# Altium PCB LimeSDR-QPCIe_1v2.PcbDoc (part 2 of 21) (continued)
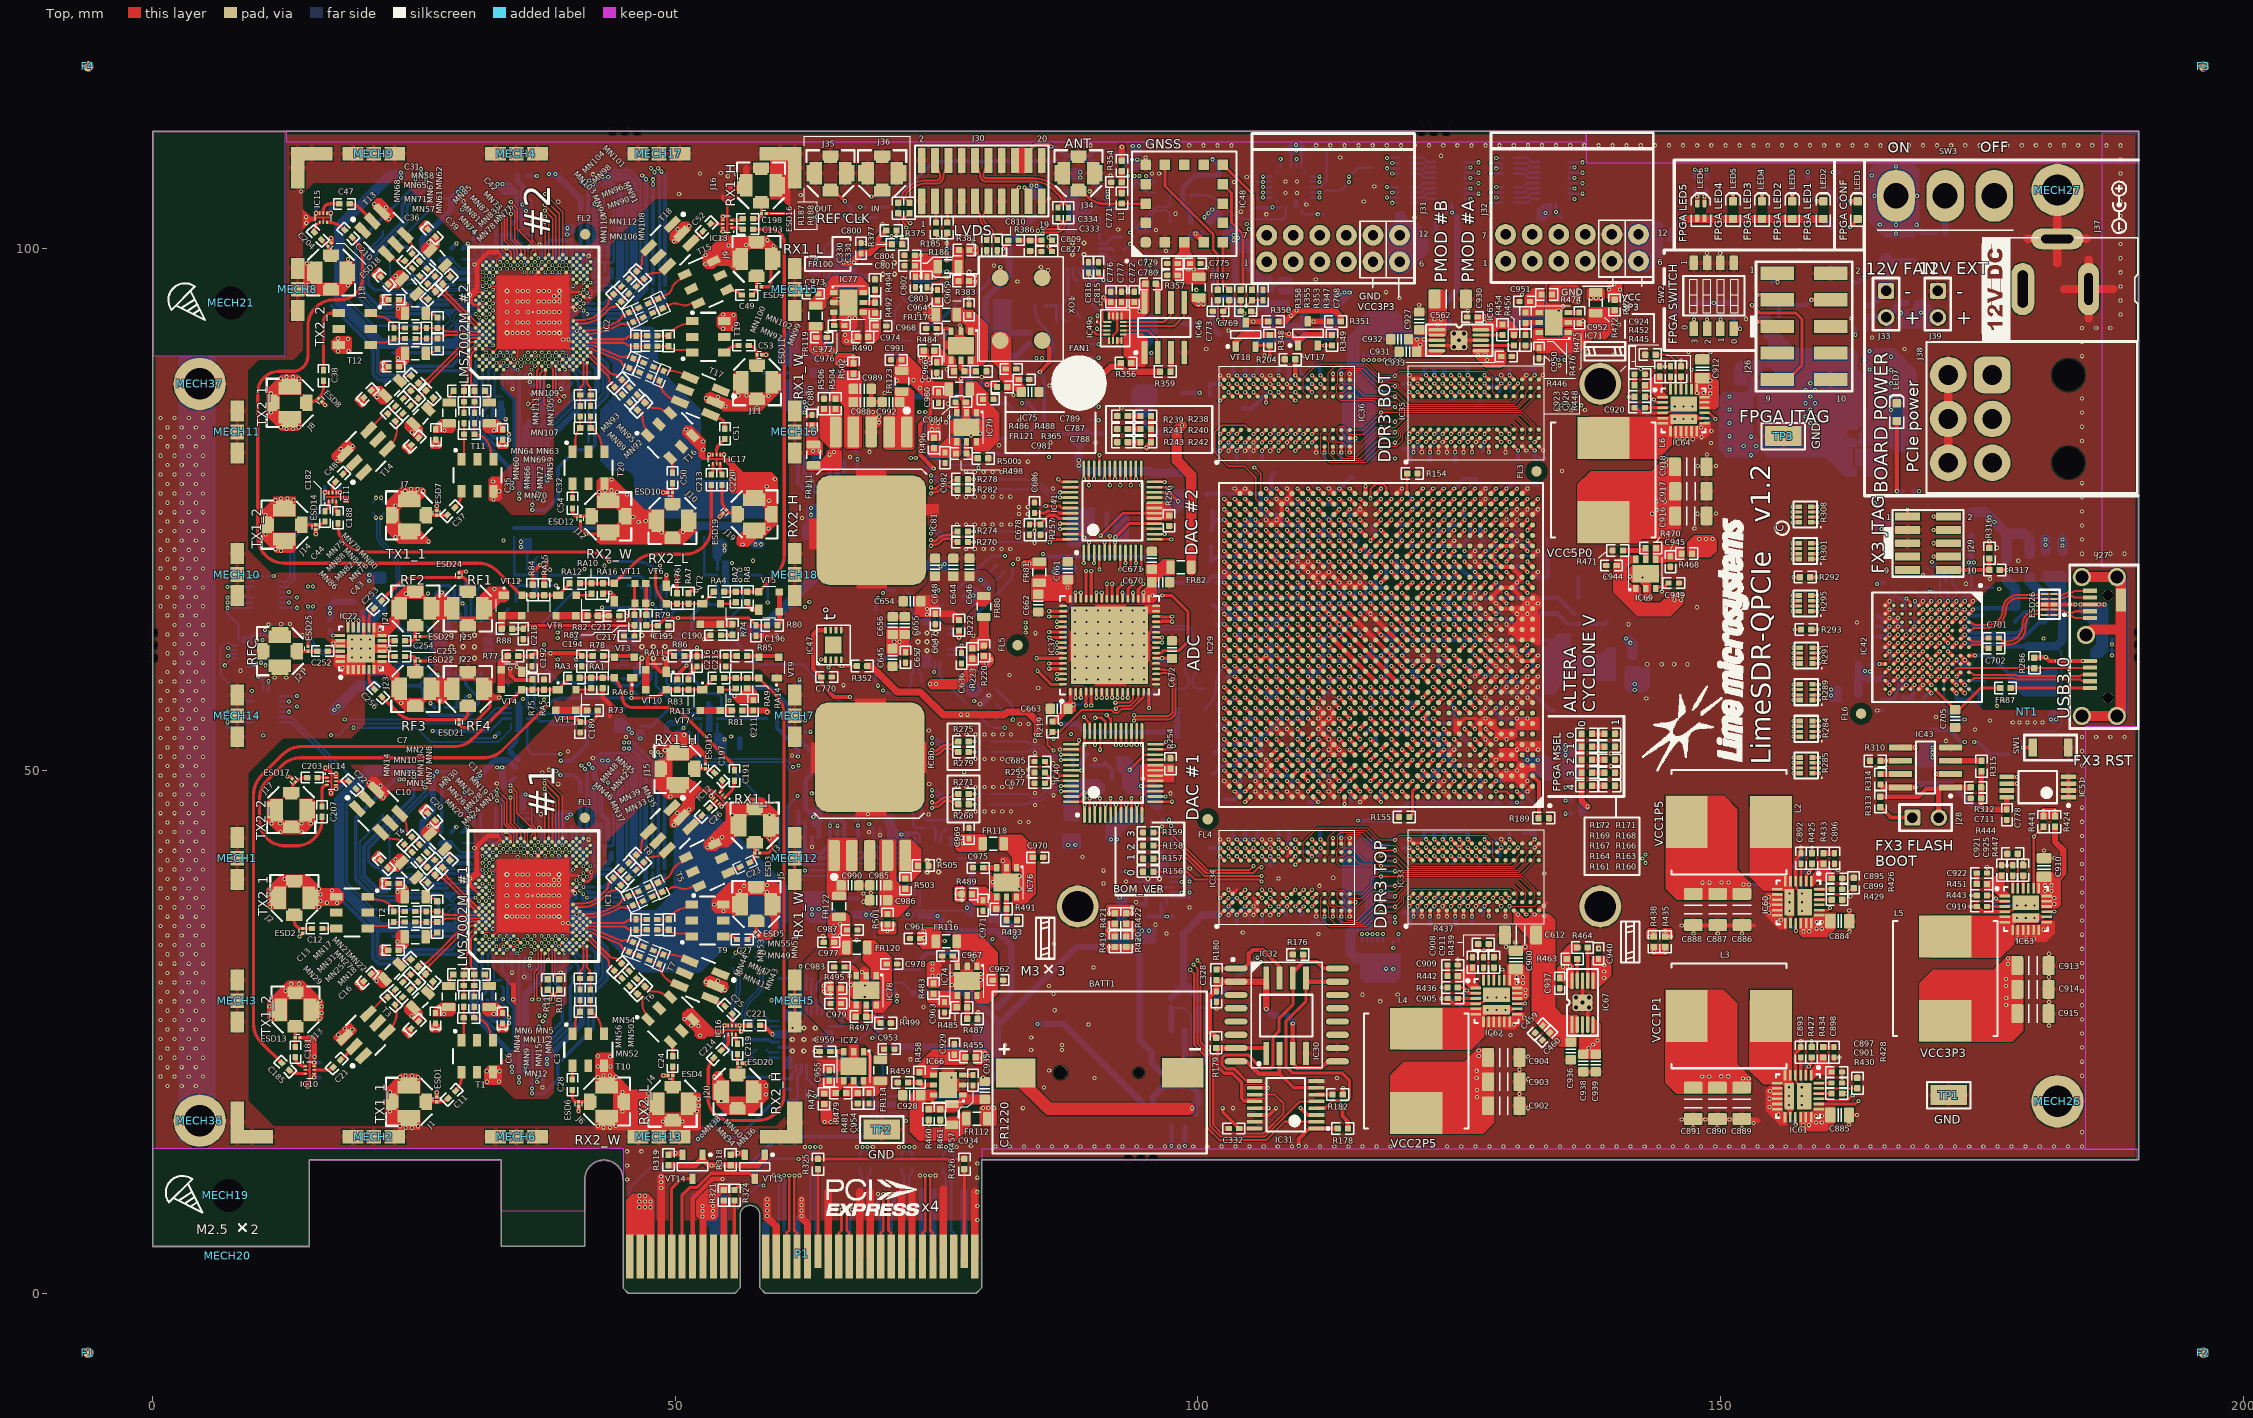
[diagram p0: Top view]
## Components (designator, comment, footprint, x,y, rotation, side; value= is the part's Value field where it differs from the comment) (continued)
C286 "100nF, 16V" CAP0402#1 27.125,66.1 r270 bottom
C287 "100pF, 50V" CAP0402#1 29.95,57.65 r90 bottom
C288 "10uF, 6.3V" CAP0603#1 33.725,69.95 r0 bottom
C289 "100nF, 16V" CAP0402#1 34.075,68.725 r180 bottom
C290 "10uF, 6.3V" CAP0603#1 39.979,69.568 r270 bottom
C291 "100nF, 16V" CAP0402#1 38.768,69.218 r90 bottom
C292 "10uF, 6.3V" CAP0603#1 36.682,71.646 r180 bottom
C293 "100nF, 16V" CAP0402#1 36.332,70.432 r0 bottom
C294 "100pF, 50V" CAP0402#1 54.225,57.7 r270 bottom
C295 "10uF, 6.3V" CAP0603#1 56.415,54.135 r90 bottom
C296 "100nF, 16V" CAP0402#1 55.165,54.485 r270 bottom
C297 "10pF, 25V" CAP0402#1 50.383,57.175 r315 bottom
C298 "10uF, 6.3V" CAP0603#1 50.025,52.925 r90 bottom
C299 "100nF, 16V" CAP0402#1 51.325,54.125 r270 bottom
C300 "10uF, 6.3V" CAP0603#1 55.325,52.15 r180 bottom
C301 "100nF, 16V" CAP0402#1 53.522,53.271 r180 bottom
C302 "10uF, 16V" CAP0603#1 48.225,53.9 r90 bottom
C303 "100nF, 16V" CAP0402#1 42.05,58.9 r270 bottom
C304 "100pF, 50V" CAP0402#1 44.5,58.625 r180 bottom
C305 "100pF, 50V" CAP0402#1 54.2,65.375 r90 bottom
C306 "100nF, 16V" CAP0402#1 49.804,56.121 r135 bottom
C307 "100pF, 50V" CAP0402#1 48.15,57.65 r90 bottom
C308 "100nF, 16V" CAP0402#1 48.15,66.1 r90 bottom
C309 "10pF, 25V" CAP0402#1 49.15,66.1 r90 bottom
C310 "100nF, 16V" CAP0402#1 45.325,66.1 r270 bottom
C311 "100pF, 50V" CAP0402#1 46.325,66.1 r270 bottom
C312 "10uF, 6.3V" CAP0603#1 51.925,69.95 r0 bottom
C313 "100nF, 16V" CAP0402#1 52.275,68.725 r180 bottom
C314 "10uF, 6.3V" CAP0603#1 58.179,69.568 r270 bottom
C315 "100nF, 16V" CAP0402#1 56.968,69.218 r90 bottom
C316 "10uF, 6.3V" CAP0603#1 54.882,71.646 r180 bottom
C317 "100nF, 16V" CAP0402#1 54.532,70.432 r0 bottom
C318 "100nF, 16V" CAP0402#1 156.65,94.025 r270 bottom
C319 "100nF, 16V" CAP0402#1 62.65,12.45 r270 bottom
C320 "100nF, 16V" CAP0402#1 63.65,12.45 r270 bottom
C321 "100nF, 16V" CAP0402#1 67.65,12.45 r270 bottom
C322 "100nF, 16V" CAP0402#1 68.65,12.45 r270 bottom
C323 "100nF, 16V" CAP0402#1 71.65,12.45 r270 bottom
C324 "100nF, 16V" CAP0402#1 72.65,12.45 r270 bottom
C325 "100nF, 16V" CAP0402#1 135.281,90.701 r90 bottom
C326 "100nF, 16V" CAP0402#1 134.281,90.701 r90 bottom
C327 "100nF, 16V" CAP0402#1 75.65,12.45 r270 bottom
C328 "100nF, 16V" CAP0402#2 101.775,28.375 r270 top
C329 "100nF, 16V" CAP0402#1 76.65,12.45 r270 bottom
C330 "100nF, 16V" CAP0402#2 79.8,100.275 r90 top
C331 "100nF, 16V" CAP0402#2 80.8,100.275 r90 top
C332 "100nF, 16V" CAP0402#2 103.45,15.75 r180 top
C333 "100nF, 16V" CAP0402#2 86.625,103.375 r90 top
C334 "100nF, 16V" CAP0402#2 87.625,103.375 r90 top
C335 "220uF, 4V" CAP1206#1 136.35,62.15 r180 bottom
C336 "220uF, 4V" CAP1206#1 135.15,58.3 r180 bottom
C337 "220uF, 4V" CAP1206#1 99.95,65.875 r0 bottom
C338 "10uF, 6.3V" CAP0603#1 117.925,63.5 r315 bottom
C339 "4.7uF, 10V" CAP0603#1 116.05,61.475 r315 bottom
C340 "1uF, 10V" CAP0402#1 118,60.95 r270 bottom
C341 "100nF, 16V" CAP0402#1 122.55,60.5 r0 bottom
C342 "220uF, 4V" CAP1206#1 140.65,64.275 r180 bottom
C343 "220uF, 4V" CAP1206#1 135.55,55.75 r180 bottom
C344 "10uF, 6.3V" CAP0603#1 131.5,69.65 r180 bottom
C345 "4.7uF, 10V" CAP0603#1 143.65,59.225 r180 bottom
C346 "1uF, 10V" CAP0402#1 131,61 r90 bottom
C347 "100nF, 16V" CAP0402#1 132.075,61 r270 bottom
C348 "220uF, 4V" CAP1206#1 132.425,53.775 r180 bottom
C349 "220uF, 4V" CAP1206#1 129.125,53.45 r90 bottom
C350 "10uF, 6.3V" CAP0603#1 131.525,73 r180 bottom
C351 "4.7uF, 10V" CAP0603#1 129.525,67.3 r180 bottom
C352 "1uF, 10V" CAP0402#1 130.5,71.5 r180 bottom
C353 "100nF, 16V" CAP0402#1 126.5,59.475 r180 bottom
C354 "220uF, 4V" CAP1206#1 133.95,77.325 r180 bottom
C355 "220uF, 4V" CAP1206#1 108.8,78.45 r180 bottom
C356 "10uF, 6.3V" CAP0603#1 115.675,78.025 r180 bottom
C357 "4.7uF, 10V" CAP0603#1 127.45,77.9 r180 bottom
C358 "1uF, 10V" CAP0402#1 115,74.025 r270 bottom
C359 "100nF, 16V" CAP0402#1 114,73.025 r270 bottom
C360 "220uF, 4V" CAP1206#1 134.925,66.55 r180 bottom
C361 "220uF, 4V" CAP1206#1 132.05,63.775 r180 bottom
C362 "10uF, 6.3V" CAP0603#1 136.875,64.975 r180 bottom
C363 "4.7uF, 10V" CAP0603#1 126.525,72 r180 bottom
C364 "1uF, 10V" CAP0402#1 124,65 r270 bottom
C365 "100nF, 16V" CAP0402#1 122.525,63.5 r180 bottom
C366 "220uF, 4V" CAP1206#1 135,70.65 r180 bottom
C367 "100uF, 6.3V" CAP1206#1 134.975,68.5 r180 bottom
C368 "10uF, 6.3V" CAP0603#1 134.3,72.25 r180 bottom
C369 "4.7uF, 10V" CAP0603#1 116.05,72.675 r225 bottom
C370 "1uF, 10V" CAP0402#1 125.025,70.05 r90 bottom
C371 "100nF, 16V" CAP0402#1 123.525,73.45 r0 bottom
C372 "220uF, 4V" CAP1206#1 100.025,49.675 r0 bottom
C373 "100uF, 6.3V" CAP1206#1 100.875,77.825 r270 bottom
C374 "10uF, 6.3V" CAP0603#1 125.525,55 r180 bottom
C375 "4.7uF, 10V" CAP0603#1 132.525,49 r90 bottom
C376 "1uF, 10V" CAP0402#1 110.05,69 r90 bottom
C377 "100nF, 16V" CAP0402#1 109.025,71.025 r270 bottom
C378 "220uF, 4V" CAP1206#1 99.8,73.2 r0 bottom
C379 "100uF, 6.3V" CAP1206#1 99.75,69.95 r0 bottom
C380 "10uF, 6.3V" CAP0603#1 100.575,74.825 r0 bottom
C381 "4.7uF, 10V" CAP0603#1 100.45,71.425 r0 bottom
C382 "1uF, 10V" CAP0402#1 107.075,70 r270 bottom
C383 "100nF, 16V" CAP0402#1 107.025,73.025 r90 bottom
C384 "220uF, 4V" CAP1206#1 101.075,47.25 r0 bottom
C385 "100uF, 6.3V" CAP1206#1 100.1,51.75 r0 bottom
C386 "10uF, 6.3V" CAP0603#1 101.925,58.8 r0 bottom
C387 "4.7uF, 10V" CAP0603#1 100.975,54.325 r0 bottom
C388 "1uF, 10V" CAP0402#1 105.5,50.5 r180 bottom
C389 "100nF, 16V" CAP0402#1 103.525,54.45 r0 bottom
C390 "100nF, 16V" CAP0402#1 117.025,48 r270 bottom
C391 "100nF, 16V" CAP0402#1 123.5,49.525 r180 bottom
C392 "100nF, 16V" CAP0402#1 120.525,70.5 r180 bottom
C393 "100nF, 16V" CAP0402#1 122.55,52.5 r0 bottom
C394 "100nF, 16V" CAP0402#1 109,68 r270 bottom
C395 "100nF, 16V" CAP0402#1 132.05,58.025 r90 bottom
C396 "100nF, 16V" CAP0402#1 131.025,58.025 r90 bottom
C397 "100nF, 16V" CAP0402#1 130.025,61 r270 bottom
C398 "100nF, 16V" CAP0402#1 130.05,58.025 r90 bottom
C399 "100nF, 16V" CAP0402#1 121.55,71.475 r180 bottom
C400 "100nF, 16V" CAP0402#1 126.525,73.5 r0 bottom
C401 "100nF, 16V" CAP0402#1 122.975,65 r90 bottom
C402 "100nF, 16V" CAP0402#1 124.025,66.975 r270 bottom
C403 "100nF, 16V" CAP0402#1 128.5,59.525 r0 bottom
C404 "100nF, 16V" CAP0402#1 128.55,63.525 r0 bottom
C405 "100nF, 16V" CAP0402#1 129.525,56.5 r0 bottom
C406 "100nF, 16V" CAP0402#1 127,58.025 r270 bottom
C407 "100nF, 16V" CAP0402#1 131.525,55.55 r0 bottom
C408 "100nF, 16V" CAP0402#1 128.5,60.5 r0 bottom
C409 "100nF, 16V" CAP0402#1 126.55,63.525 r0 bottom
C410 "100nF, 16V" CAP0402#1 129,72 r90 bottom
C411 "100nF, 16V" CAP0402#1 119.525,76.475 r180 bottom
C412 "100nF, 16V" CAP0402#1 117.525,74.5 r0 bottom
C413 "100nF, 16V" CAP0402#1 119.55,61.525 r180 bottom
C414 "100nF, 16V" CAP0402#1 119.525,60.55 r180 bottom
C415 "100nF, 16V" CAP0402#1 112.05,58 r270 bottom
C416 "100nF, 16V" CAP0402#1 121.025,62 r270 bottom
C417 "100nF, 16V" CAP0402#1 119,66.025 r90 bottom
C418 "100nF, 16V" CAP0402#1 120,65.05 r90 bottom
C419 "100nF, 16V" CAP0402#1 120.55,63.5 r0 bottom
C420 "100nF, 16V" CAP0402#1 121.025,60 r270 bottom
C421 "100nF, 16V" CAP0402#1 113.975,63.95 r90 bottom
C422 "100nF, 16V" CAP0402#1 115.025,63.975 r90 bottom
C423 "100nF, 16V" CAP0402#1 121.05,65.025 r90 bottom
C424 "100nF, 16V" CAP0402#1 120.525,58.525 r0 bottom
C425 "100nF, 16V" CAP0402#1 112.575,60.5 r180 bottom
C426 "100nF, 16V" CAP0402#1 112.525,64.525 r180 bottom
C427 "100nF, 16V" CAP0402#1 117.025,67.025 r90 bottom
C428 "100nF, 16V" CAP0402#1 119.5,59.55 r0 bottom
C429 "100nF, 16V" CAP0402#1 117.475,59.55 r0 bottom
C430 "100nF, 16V" CAP0402#1 115.525,59.525 r0 bottom
C431 "100nF, 16V" CAP0402#1 119.05,58.025 r270 bottom
C432 "100nF, 16V" CAP0402#1 113.05,58 r270 bottom
C433 "100nF, 16V" CAP0402#1 115.025,58.025 r270 bottom
C434 "100nF, 16V" CAP0402#1 117.05,58.025 r270 bottom
C435 "100nF, 16V" CAP0402#1 114.025,60 r270 bottom
C436 "100nF, 16V" CAP0402#1 114.975,66 r90 bottom
C437 "100nF, 16V" CAP0402#1 115.975,65.975 r90 bottom
C438 "100nF, 16V" CAP0402#1 118.025,66.025 r90 bottom
C439 "100nF, 16V" CAP0402#1 113.975,65.975 r90 bottom
C440 "100nF, 16V" CAP0402#1 113.075,62.025 r270 bottom
C441 "100nF, 16V" CAP0402#1 112.025,63.025 r270 bottom
C442 "100nF, 16V" CAP0402#1 112.5,66.45 r180 bottom
C443 "100nF, 16V" CAP0402#1 122.025,50.05 r270 bottom
C444 "100nF, 16V" CAP0402#1 119.05,51 r270 bottom
C445 "100nF, 16V" CAP0402#1 122.025,54.025 r90 bottom
C446 "100nF, 16V" CAP0402#1 124.525,53.475 r180 bottom
C447 "100nF, 16V" CAP0402#1 111.525,53.5 r180 bottom
C448 "100nF, 16V" CAP0402#1 109.025,54.05 r270 bottom
C449 "100nF, 16V" CAP0402#1 118.5,54.5 r180 bottom
C450 "100nF, 16V" CAP0402#1 112.5,56.525 r180 bottom
C451 "100nF, 16V" CAP0402#1 110,74.975 r90 bottom
C452 "100nF, 16V" CAP0402#1 113.05,77.1 r90 bottom
C453 "100nF, 16V" CAP0402#1 110.55,50.525 r0 bottom
C454 "100nF, 16V" CAP0402#1 113,74.975 r90 bottom
C455 "100nF, 16V" CAP0402#1 109,74.975 r90 bottom
C456 "100nF, 16V" CAP0402#1 114.025,69 r270 bottom
C457 "100nF, 16V" CAP0402#1 127.575,48.5 r180 bottom
C458 "100nF, 16V" CAP0402#1 116.575,75.525 r180 bottom
C459 "100nF, 16V" CAP0402#2 132.632,25.261 r225 top
C460 "100nF, 16V" CAP0402#2 133.321,24.571 r225 top
C461 "100nF, 16V" CAP0402#1 112.05,50.025 r270 bottom
C462 "100nF, 16V" CAP0402#1 113.575,48.5 r180 bottom
C463 "100nF, 16V" CAP0402#1 125.5,52.525 r180 bottom
C464 "100nF, 16V" CAP0402#1 110.2,46.975 r180 bottom
C465 "100nF, 16V" CAP0402#1 129.725,49.025 r0 bottom
C466 "100nF, 16V" CAP0402#1 126.05,49.025 r90 bottom
C467 "100nF, 16V" CAP0402#1 118.025,47.975 r270 bottom
C468 "100nF, 16V" CAP0402#1 125,50.025 r90 bottom
C469 "100nF, 16V" CAP0402#1 120.025,56.975 r270 bottom
C470 "100nF, 16V" CAP0402#1 118.5,69.525 r0 bottom
C471 "100nF, 16V" CAP0402#1 111.05,70 r270 bottom
C472 "100nF, 16V" CAP0402#1 120.525,67.525 r180 bottom
C473 "100nF, 16V" CAP0402#1 112,75 r90 bottom
C474 "100nF, 16V" CAP0402#1 106.575,48.5 r180 bottom
C475 "100nF, 16V" CAP0402#1 112.5,67.475 r180 bottom
C476 "100nF, 16V" CAP0402#1 119.025,73.025 r90 bottom
C477 "100nF, 16V" CAP0402#1 124.4,92.775 r0 bottom
C478 "100nF, 16V" CAP0402#1 121.775,92.2 r180 bottom
C479 "100nF, 16V" CAP0402#1 106.5,49.525 r0 bottom
C480 "100nF, 16V" CAP0402#1 104.975,49.05 r270 bottom
C481 "100nF, 16V" CAP0402#1 105.025,54.05 r90 bottom
C482 "100nF, 16V" CAP0402#1 103.525,53.525 r0 bottom
C483 "100nF, 16V" CAP0402#1 102.575,56.5 r180 bottom
C484 "100nF, 16V" CAP0402#1 110,56.025 r270 bottom
C485 "100nF, 16V" CAP0402#1 108.525,57.5 r180 bottom
C486 "100nF, 16V" CAP0402#1 107.05,57.975 r270 bottom
C487 "100nF, 16V" CAP0402#1 107.5,59.525 r180 bottom
C488 "100nF, 16V" CAP0402#1 111.05,59.975 r270 bottom
C489 "100nF, 16V" CAP0402#1 106.05,56 r90 bottom
C490 "100nF, 16V" CAP0402#1 107.5,61.475 r180 bottom
C491 "100nF, 16V" CAP0402#1 107.5,60.5 r180 bottom
C492 "100nF, 16V" CAP0402#1 107.025,65.025 r270 bottom
C493 "100nF, 16V" CAP0402#1 108.025,65.025 r270 bottom
C494 "100nF, 16V" CAP0402#1 104.05,65.975 r270 bottom
C495 "100nF, 16V" CAP0402#1 107.575,63.525 r180 bottom
C496 "100nF, 16V" CAP0402#1 101.3,64 r180 bottom
C497 "100nF, 16V" CAP0402#1 104.5,62.525 r180 bottom
C498 "100nF, 16V" CAP0402#1 106.025,61.975 r270 bottom
C499 "100nF, 16V" CAP0402#1 105,73.025 r90 bottom
C500 "100nF, 16V" CAP0402#1 103.475,69.5 r180 bottom
C501 "100nF, 16V" CAP0402#1 106.025,73.05 r90 bottom
C502 "100nF, 16V" CAP0402#1 108.5,72.5 r0 bottom
C503 "100nF, 16V" CAP0402#1 109.025,65.05 r270 bottom
C504 "100nF, 16V" CAP0402#1 110.975,67 r270 bottom
C505 "100nF, 16V" CAP0402#1 107.5,68.475 r180 bottom
C506 "100nF, 16V" CAP0402#1 123.025,54 r270 bottom
C507 "100nF, 16V" CAP0402#1 123.55,56.5 r180 bottom
C508 "100nF, 16V" CAP0402#1 126,57 r90 bottom
C509 "100nF, 16V" CAP0402#1 120.55,53.5 r180 bottom
C510 "100nF, 16V" CAP0402#1 107.525,55.475 r180 bottom
C511 "100nF, 16V" CAP0402#1 111,55.025 r90 bottom
C512 "100nF, 16V" CAP0402#1 116.975,54 r270 bottom
C513 "100nF, 16V" CAP0402#1 126.525,61.525 r0 bottom
C514 "100nF, 16V" CAP0402#1 116.025,70.025 r90 bottom
C515 "100nF, 16V" CAP0402#1 108.5,69.525 r180 bottom
C516 "100nF, 16V" CAP0402#1 111.05,72.025 r90 bottom
C517 "100nF, 16V" CAP0402#1 123.55,69.5 r0 bottom
C518 "100nF, 16V" CAP0402#1 126.5,65.475 r180 bottom
C519 "100nF, 16V" CAP0402#1 126.525,67.45 r0 bottom
C520 "100nF, 16V" CAP0402#1 126.525,69.475 r0 bottom
C521 "100nF, 16V" CAP0402#1 116.025,54 r90 bottom
C522 "100nF, 16V" CAP0402#1 118.525,53.5 r180 bottom
C523 "100nF, 16V" CAP0402#1 120.525,52.475 r180 bottom
C524 "100nF, 16V" CAP0402#1 113.05,54 r90 bottom
C525 "100nF, 16V" CAP0402#1 108.975,50 r270 bottom
C526 "100nF, 16V" CAP0402#1 110.05,54 r90 bottom
C527 "100nF, 16V" CAP0402#1 111.55,52.55 r0 bottom
C528 "100nF, 16V" CAP0402#1 125.5,68.5 r0 bottom
C529 "100nF, 16V" CAP0402#1 112.025,72.025 r90 bottom
C530 "100nF, 16V" CAP0402#1 112.025,70 r90 bottom
C531 "100nF, 16V" CAP0402#1 132,68 r270 bottom
C532 "100nF, 16V" CAP0402#1 123.525,72.5 r0 bottom
C533 "100nF, 16V" CAP0402#1 120.5,69.5 r180 bottom
C534 "100nF, 16V" CAP0402#1 117.525,70.5 r180 bottom
C535 "100nF, 16V" CAP0402#1 122.5,70.525 r180 bottom
C536 "100nF, 16V" CAP0402#1 125.825,44.675 r90 bottom
C537 "100nF, 16V" CAP0402#1 123.625,44.725 r90 bottom
C538 "100nF, 16V" CAP0402#1 132.225,44.525 r90 bottom
C539 "100nF, 16V" CAP0402#1 129.825,44.525 r90 bottom
C540 "100nF, 16V" CAP0402#1 119.625,43.125 r90 bottom
C541 "100nF, 16V" CAP0402#1 128.9,41.35 r270 bottom
C542 "100nF, 16V" CAP0402#1 122.625,44.725 r90 bottom
C543 "100nF, 16V" CAP0402#1 121.625,44.725 r90 bottom
C544 "0.1uF" CKCA43X7R1C104M100AA 117.45,29.375 r270 bottom
C545 "100nF, 16V" CAP0402#1 123.025,38.925 r90 bottom
C546 "100nF, 16V" CAP0402#1 124.625,34.725 r270 bottom
C547 "100nF, 16V" CAP0402#1 122.225,34.725 r270 bottom
C548 "100nF, 16V" CAP0402#1 121.45,38.925 r90 bottom
C549 "100nF, 16V" CAP0402#1 130.625,34.975 r270 bottom
C550 "100nF, 16V" CAP0402#1 132.225,34.975 r270 bottom
C551 "100nF, 16V" CAP0402#1 125.4,38.925 r90 bottom
C552 "100nF, 16V" CAP0402#1 127.225,35.7 r270 bottom
C553 "0.1uF" CKCA43X7R1C104M100AA 113.6,41.4 r180 bottom
C554 "100nF, 16V" CAP0402#1 133.25,34.975 r270 bottom
C555 "100nF, 16V" CAP0402#1 131.2,44.525 r90 bottom
C556 "100nF, 16V" CAP0402#1 126.225,34.975 r270 bottom
C557 "10uF, 16V" CAP0603#1 124.725,45.025 r270 bottom
C558 "10uF, 16V" CAP0603#1 120.35,34.25 r90 bottom
C559 "2.2uF, 16V" CAP0402#1 124.4,40.6 r270 bottom
C560 "1uF, 10V" CAP0402#1 119.625,36.875 r270 bottom
C561 "0.1uF" CKCA43X7R1C104M100AA 113.5,37.8 r180 bottom
C562 "220uF, 4V" CAP1206#2 124.15,95.125 r180 top
C563 "100nF, 16V" CAP0402#1 117.525,56.475 r0 bottom
C564 "100nF, 16V" CAP0402#1 124.525,74.5 r0 bottom
C565 "100nF, 16V" CAP0402#1 121.55,75.525 r0 bottom
C566 "100nF, 16V" CAP0402#1 109.525,52.45 r0 bottom
C567 "100nF, 16V" CAP0402#1 106.125,34.925 r270 bottom
C568 "100nF, 16V" CAP0402#1 108.375,35.675 r270 bottom
C569 "100nF, 16V" CAP0402#1 104.925,35.1 r270 bottom
C570 "100nF, 16V" CAP0402#1 111.7,44.75 r90 bottom
C571 "100nF, 16V" CAP0402#1 103.525,39.05 r90 bottom
C572 "100nF, 16V" CAP0402#1 109.925,35.675 r270 bottom
C573 "100nF, 16V" CAP0402#1 106.925,40.4 r270 bottom
C574 "100nF, 16V" CAP0402#1 105.725,44.775 r90 bottom
C575 "100nF, 16V" CAP0402#1 113.725,44.75 r90 bottom
C576 "100nF, 16V" CAP0402#1 112.125,34.95 r270 bottom
C577 "100nF, 16V" CAP0402#1 113.725,34.975 r270 bottom
C578 "100nF, 16V" CAP0402#1 107.7,44.775 r90 bottom
C579 "100nF, 16V" CAP0402#1 103.35,44.775 r90 bottom
C580 "100nF, 16V" CAP0402#1 108.7,44.775 r90 bottom
C581 "100nF, 16V" CAP0402#1 111.625,41.45 r270 bottom
C582 "10uF, 16V" CAP0603#1 101.225,35.3 r90 bottom
C583 "10uF, 16V" CAP0603#1 104.525,45 r270 bottom
C584 "2.2uF, 16V" CAP0402#1 101.15,43.1 r90 bottom
C585 "1uF, 10V" CAP0402#1 103.725,34.875 r90 bottom
C586 "100nF, 16V" CAP0402#1 119.625,81.275 r90 bottom
C587 "100nF, 16V" CAP0402#1 121.425,83.325 r90 bottom
C588 "100nF, 16V" CAP0402#1 122.225,79.125 r270 bottom
C589 "100nF, 16V" CAP0402#1 101.15,87.5 r90 bottom
C590 "100nF, 16V" CAP0402#1 106.125,79.325 r270 bottom
C591 "100nF, 16V" CAP0402#1 107.275,83.575 r90 bottom
C592 "100nF, 16V" CAP0402#1 104.85,79.5 r270 bottom
C593 "100nF, 16V" CAP0402#1 103.35,89.175 r90 bottom
C594 "0.1uF" CKCA43X7R1C104M100AA 117.6,94.275 r90 bottom
C595 "100nF, 16V" CAP0402#1 108.65,83.525 r90 bottom
C596 "100nF, 16V" CAP0402#1 110.7,89.15 r90 bottom
C597 "100nF, 16V" CAP0402#1 104.275,84.175 r270 bottom
C598 "100nF, 16V" CAP0402#1 109.725,83.55 r90 bottom
C599 "100nF, 16V" CAP0402#1 112.125,79.35 r270 bottom
C600 "100nF, 16V" CAP0402#1 113.725,79.375 r270 bottom
C601 "100nF, 16V" CAP0402#1 105.725,89.175 r90 bottom
C602 "100nF, 16V" CAP0402#1 124.625,79.125 r270 bottom
C603 "0.1uF" CKCA43X7R1C104M100AA 113.5,85.95 r180 bottom
C604 "100nF, 16V" CAP0402#1 119.625,87.525 r90 bottom
C605 "100nF, 16V" CAP0402#1 123.025,83.325 r90 bottom
C606 "100nF, 16V" CAP0402#1 109.701,89.174 r90 bottom
C607 "10uF, 16V" CAP0603#1 120.35,78.65 r90 bottom
C608 "10uF, 16V" CAP0603#1 122.625,89.475 r270 bottom
C609 "2.2uF, 16V" CAP0402#1 108.7,89.175 r90 bottom
C610 "1uF, 10V" CAP0402#1 107.7,89.175 r270 bottom
C611 "0.1uF" CKCA43X7R1C104M100AA 113.5,82.35 r180 bottom
C612 "220uF, 4V" CAP1206#2 130.875,34.275 r0 top
C613 "100nF, 16V" CAP0402#1 111.7,89.15 r90 bottom
C614 "100nF, 16V" CAP0402#1 113.725,89.15 r90 bottom
C615 "100nF, 16V" CAP0402#1 121.575,89.125 r90 bottom
C616 "100nF, 16V" CAP0402#1 123.675,89.075 r90 bottom
C617 "100nF, 16V" CAP0402#1 125.4,83.325 r90 bottom
C618 "100nF, 16V" CAP0402#1 130.625,79.375 r270 bottom
C619 "100nF, 16V" CAP0402#1 127.225,80.1 r270 bottom
C620 "100nF, 16V" CAP0402#1 125.825,89.075 r90 bottom
C621 "100nF, 16V" CAP0402#1 131.2,88.925 r90 bottom
C622 "100nF, 16V" CAP0402#1 132.2,88.925 r90 bottom
C623 "100nF, 16V" CAP0402#1 110.975,34.95 r270 bottom
C624 "100nF, 16V" CAP0402#1 128.9,85.75 r270 bottom
C625 "100nF, 16V" CAP0402#1 129.825,88.925 r90 bottom
C626 "100nF, 16V" CAP0402#1 132.225,79.375 r270 bottom
C627 "100nF, 16V" CAP0402#1 103.325,83.45 r90 bottom
C628 "100nF, 16V" CAP0402#1 105.2,84.175 r270 bottom
C629 "100nF, 16V" CAP0402#1 103.225,79.775 r180 bottom
C630 "100nF, 16V" CAP0402#1 101.15,85.4 r270 bottom
C631 "100nF, 16V" CAP0402#1 129.9,85.75 r270 bottom
C632 "10uF, 16V" CAP0603#1 101.225,81.4 r270 bottom
C633 "10uF, 16V" CAP0603#1 104.525,89.4 r270 bottom
C634 "2.2uF, 16V" CAP0402#1 124.4,85 r270 bottom
C635 "1uF, 10V" CAP0402#1 133.25,79.375 r90 bottom
C636 "100nF, 16V" CAP0402#2 77.375,60.75 r90 top
C637 "0R" CAP0402#1 75.936,58.353 r135 bottom
C638 "100nF, 16V" CAP0402#1 99.819,61.2 r270 bottom
C639 "100nF, 16V" CAP0402#1 98.819,61.2 r270 bottom
C640 "100nF, 16V" CAP0402#1 79.241,57.134 r315 bottom
C641 "100nF, 16V" CAP0402#1 78.7,62.025 r0 bottom
C642 "6.8pF, 50V" CAP0402#1 81.115,55.26 r45 bottom
C643 "0R" CAP0402#1 78.039,60.457 r135 bottom
C644 "10uF, 16V" CAP0603#2 76.6,69.45 r270 top
C645 "10uF, 16V" CAP0603#2 70.784,60.825 r90 top
C646 "22uF, 10V" CAP0603#2 78.15,69.45 r270 top
C647 "100nF, 16V" CAP0402#2 74.875,64.5 r270 top
C648 "10uF, 16V" CAP0603#2 74.85,69.45 r270 top
C649 "0R" CAP0402#1 78.047,64.186 r225 bottom
C650 "100nF, 16V" CAP0402#1 74.625,67.75 r90 bottom
C651 "100nF, 16V" CAP0402#1 79.266,67.491 r45 bottom
C652 "6.8pF, 50V" CAP0402#1 81.14,69.365 r135 bottom
C653 "0R" CAP0402#1 75.943,66.289 r225 bottom
C654 "10uF, 16V" CAP0603#2 72.65,66.2 r0 top
C655 "10uF, 16V" CAP0603#2 71.95,63.875 r270 top
C656 "22uF, 10V" CAP0603#2 70.8,63.875 r270 top
C657 "100nF, 16V" CAP0402#2 72.025,60.825 r270 top
C658 "100nF, 16V" CAP0402#1 88.5,57.575 r180 bottom
C659 "100nF, 16V" CAP0402#1 86.975,56.875 r270 bottom
C660 "100nF, 16V" CAP0402#1 88.8,66.2 r180 bottom
C661 "22uF, 10V" CAP0603#2 87.55,69.125 r270 top
C662 "22uF, 10V" CAP0603#2 84.725,66.025 r90 top
C663 "10uF, 6.3V" CAP0603#2 86.725,55.925 r180 top
C664 "100nF, 16V" CAP0402#1 97.05,59.75 r90 bottom
C665 "100nF, 16V" CAP0402#1 94.3,57.6 r0 bottom
C666 "100nF, 16V" CAP0402#1 96.3,57.6 r180 bottom
C667 "100nF, 16V" CAP0402#1 96.05,59.75 r90 bottom
C668 "100nF, 16V" CAP0402#1 96.1,66.15 r180 bottom
C669 "100nF, 16V" CAP0402#1 95.675,68 r270 bottom
C670 "22uF, 10V" CAP0603#2 96.45,68.025 r180 top
C671 "22uF, 10V" CAP0603#2 95.6,70.125 r270 top
C672 "10uF, 6.3V" CAP0603#2 97.525,61.575 r90 top
C673 "100nF, 16V" CAP0402#1 98.569,54.25 r0 bottom
C674 "100pF, 50V" CAP0402#1 98.569,53.25 r180 bottom
C675 "100pF, 50V" CAP0402#1 81.23,47.27 r90 bottom
C676 "100pF, 50V" CAP0402#1 81.15,72.37 r90 bottom
C677 "100nF, 16V" CAP0402#2 84.875,48.8 r0 top
C678 "100nF, 16V" CAP0402#2 83.895,73.055 r90 top
C679 "100pF, 50V" CAP0402#1 81.225,52.275 r270 bottom
C680 "100pF, 50V" CAP0402#1 81.175,77.38 r270 bottom
C681 "22uF, 10V" CAP0603#1 88.05,49.575 r270 bottom
C682 "22uF, 10V" CAP0603#1 86.9,46.675 r0 bottom
C683 "10uF, 6.3V" CAP0603#1 89.8,49.65 r270 bottom
C684 "100nF, 16V" CAP0402#1 91.525,47.975 r180 bottom
C685 "100nF, 16V" CAP0402#2 84.875,50.875 r0 top
C686 "100nF, 16V" CAP0402#2 84.375,75.15 r270 top
C687 "22uF, 10V" CAP0603#1 90.425,74.6 r180 bottom
C688 "22uF, 10V" CAP0603#1 88.275,75.5 r270 bottom
C689 "10uF, 6.3V" CAP0603#1 90.425,73.325 r180 bottom
C690 "100nF, 16V" CAP0402#1 87.4,72.4 r0 bottom
C691 "22uF, 10V" CAP0603#1 92.625,49.15 r0 bottom
C692 "22uF, 10V" CAP0603#1 91.95,50.75 r0 bottom
C693 "10uF, 6.3V" CAP0603#1 88.55,51.575 r0 bottom
C694 "100nF, 16V" CAP0402#1 95.525,49.025 r270 bottom
C695 "100nF, 16V" CAP0402#1 94.35,50.8 r270 bottom
C696 "22uF, 10V" CAP0603#1 96.425,76.05 r0 bottom
C697 "22uF, 10V" CAP0603#1 93.75,72.625 r180 bottom
C698 "10uF, 6.3V" CAP0603#1 93.775,73.925 r180 bottom
C699 "100nF, 16V" CAP0402#1 84.9,74.725 r90 bottom
C700 "100nF, 16V" CAP0402#1 96.675,74.925 r0 bottom
C701 "100nF, 16V" CAP0402#2 176.15,62.7 r0 top
C702 "100nF, 16V" CAP0402#2 176.15,61.7 r180 top
C703 "13pF, 5%" CAP0402#1 177.575,52.033 r270 bottom
C704 "13pF, 5%" CAP0402#1 170.1,53.433 r90 bottom
C705 "1uF, 10V" CAP0603#2 172.45,54.975 r90 top
C706 "100nF, 16V" CAP0402#1 188.025,62.575 r180 bottom
C707 "22uF, 10V" CAP0603#1 174.875,70.675 r180 bottom
C708 "100nF, 16V" CAP0402#1 177.275,61.4 r270 bottom
C709 "10nF, 50V" CAP0402#1 178.275,61.4 r90 bottom
C710 "10uF, 6.3V" CAP0603#1 179.45,61.05 r90 bottom
C711 "100nF, 16V" CAP0402#2 174.44,47.36 r180 top
C712 "100nF, 16V" CAP0402#1 178.95,51.1 r270 bottom
C713 "22uF, 10V" CAP0603#1 162.325,58.875 r0 bottom
C714 "100nF, 16V" CAP0402#1 180.525,59.7 r90 bottom
C715 "22uF, 10V" CAP0603#1 182.475,59.125 r180 bottom
C716 "100nF, 16V" CAP0402#1 177.075,66 r90 bottom
C717 "22uF, 10V" CAP0603#1 178.175,65.1 r90 bottom
C718 "100nF, 16V" CAP0402#1 180.475,64.675 r90 bottom
C719 "22uF, 10V" CAP0603#1 181.65,63.975 r90 bottom
C720 "100nF, 16V" CAP0402#1 167.65,67.65 r90 bottom
C721 "10nF, 50V" CAP0402#1 176.05,67.025 r90 bottom
C722 "22uF, 10V" CAP0603#1 168.6,51.9 r0 bottom
C723 "100nF, 16V" CAP0402#1 173.75,56.275 r270 bottom
C724 "10nF, 50V" CAP0402#1 172.75,56.275 r90 bottom
C725 "100nF, 16V" CAP0402#1 175.05,67.025 r270 bottom
C726 "10nF, 50V" CAP0402#1 168.575,67.65 r270 bottom
C727 "100nF, 16V" CAP0402#1 170.475,67.65 r90 bottom
C728 "100nF, 16V" CAP0402#1 168.425,56.475 r270 bottom
C729 "10nF, 50V" CAP0402#1 167.45,56.475 r90 bottom
C730 "10nF, 50V" CAP0402#1 169.525,67.65 r270 bottom
C731 "100nF, 16V" CAP0402#1 173.5,71.775 r180 bottom
C732 "100nF, 16V" CAP0402#1 174.5,69.45 r0 bottom
C733 "100nF, 16V" CAP0402#1 166.65,67.65 r90 bottom
C734 "100nF, 16V" CAP0402#1 164.55,62.8 r180 bottom
C735 "100nF, 16V" CAP0402#1 165.1,61.8 r180 bottom
C736 "100nF, 16V" CAP0402#1 167.6,65.05 r270 bottom
C737 "100nF, 16V" CAP0402#1 164.55,63.8 r180 bottom
C738 "100nF, 16V" CAP0402#1 170.45,56.45 r270 bottom
C739 "10nF, 50V" CAP0402#1 169.425,56.45 r90 bottom
C740 "10nF, 50V" CAP0402#1 175.3,56.375 r180 bottom
C741 "10nF, 50V" CAP0402#1 175.3,57.375 r180 bottom
C742 "10nF, 50V" CAP0402#1 166.45,56.3 r90 bottom
C743 "10nF, 50V" CAP0402#1 174.5,68.5 r180 bottom
C744 "10nF, 50V" CAP0402#1 173.75,59.125 r180 bottom
C745 "10nF, 50V" CAP0402#1 165.45,56.3 r90 bottom
C746 "10nF, 50V" CAP0402#1 165.775,60.8 r0 bottom
C747 "10uF, 16V" CAP0603#1 91.575,108.475 r90 bottom
C748 "100nF, 16V" CAP0402#1 89.725,109.375 r180 bottom
C749 "100nF, 16V" CAP0402#1 86.925,109.65 r0 bottom
C750 "100nF, 16V" CAP0402#1 54.994,9.65 r90 bottom
C751 "100nF, 16V" CAP0402#1 53.847,9.65 r90 bottom
C752 "100nF, 16V" CAP0402#1 52.7,9.65 r90 bottom
C753 "22nF, 50V" CAP0402#1 149.625,84.222 r180 bottom
C754 "22nF, 50V" CAP0402#1 149.625,85.369 r180 bottom
C755 "22nF, 50V" CAP0402#1 149.625,83.075 r180 bottom
C756 "22nF, 50V" CAP0402#1 149.625,80.781 r180 bottom
C757 "22nF, 50V" CAP0402#1 149.625,81.928 r180 bottom
C758 "100nF, 16V" CAP0402#1 122.275,99.95 r0 bottom
C759 "100nF, 16V" CAP0402#1 118.825,103.15 r180 bottom
C760 "100nF, 16V" CAP0402#1 144.225,102.725 r90 bottom
C761 "100nF, 16V" CAP0402#1 144.675,99.8 r0 bottom
C762 "100nF, 16V" CAP0402#1 122.275,102.9 r180 bottom
C763 "100nF, 16V" CAP0402#1 132.225,102.9 r180 bottom
C764 "22nF, 50V" CAP0402#1 165.525,91.45 r180 bottom
C765 "22nF, 50V" CAP0402#1 163.925,93.95 r90 bottom
C766 "100nF, 16V" CAP0402#1 125.325,102.9 r0 bottom
C767 "100nF, 16V" CAP0402#1 135.275,102.9 r0 bottom
C768 "22pF, 50V" CAP0402#2 106.225,95.5 r90 top
C769 "22pF, 50V" CAP0402#2 104.6,93.95 r0 top
C770 "100nF, 16V" CAP0402#2 64.475,58.95 r0 top
C771 "22pF, 50V" CAP0402#2 92.225,106.3 r0 top
C772 "100nF, 16V" CAP0402#2 93.915,95.325 r90 top
C773 "22pF, 50V" CAP0402#2 101.925,93.95 r180 top
C774 "22pF, 50V" CAP0402#1 100.325,100.875 r90 bottom
C775 "22pF, 50V" CAP0402#2 99.75,98.525 r180 top
C776 "100nF, 16V" CAP0402#2 91.675,95.325 r90 top
C777 "100nF, 16V" CAP0402#2 92.69,95.325 r90 top
C778 "100nF, 16V" CAP0402#2 177.4,45.775 r270 top
C779 "2.2uF, 16V" CAP0402#2 97.575,98.525 r0 top
C780 "100nF, 16V" CAP0402#2 97.575,97.4 r0 top
C781 "100nF, 16V" CAP0402#1 93.95,24.175 r180 bottom
C782 "100nF, 16V" CAP0402#1 71.5,92.525 r0 bottom
C783 "100nF, 16V" CAP0402#1 71,94.625 r0 bottom
C784 "100nF, 16V" CAP0402#1 68.875,94.625 r0 bottom
C785 "100nF, 16V" CAP0402#1 70.875,103.925 r180 bottom
C786 "100nF, 16V" CAP0402#1 70.875,101.775 r0 bottom
C787 "100nF, 16V" CAP0402#2 83.375,87.425 r180 top
C788 "10uF, 16V" CAP0603#2 83.95,86.225 r180 top
C789 "100pF, 50V" CAP0402#2 82.125,88.425 r0 top
C790 "100nF, 16V" CAP0402#1 68.8,101.775 r0 bottom
C791 "47pF, 50V" CAP0402#1 77.025,99.925 r180 bottom
C792 "47pF, 50V" CAP0402#1 77.025,98.825 r180 bottom
C793 "47pF, 50V" CAP0402#1 77.025,97.75 r180 bottom
C794 "47pF, 50V" CAP0402#1 77.025,96.65 r180 bottom
C795 "100nF, 16V" CAP0402#1 82.25,93.65 r180 bottom
C796 "1uF, 10V" CAP0402#1 82.25,94.65 r180 bottom
C797 "2.2uF, 16V" CAP0402#1 67.025,99.725 r270 bottom
C798 "100nF, 16V" CAP0402#1 66.225,96.725 r0 bottom
C799 "100pF, 50V" CAP0402#1 66.025,99.725 r270 bottom
C800 "100pF, 50V" CAP0402#2 67.775,99.975 r270 top
C801 "2.2uF, 16V" CAP0402#2 72.425,98.3 r0 top
C802 "100nF, 16V" CAP0402#2 72.975,96.75 r90 top
C803 "100pF, 50V" CAP0402#2 74.075,96.75 r90 top
C804 "100pF, 50V" CAP0402#2 72.425,99.3 r0 top
C805 "100pF, 50V" CAP0402#1 73.15,94.6 r180 bottom
C806 "1uF, 10V" CAP0402#1 72.725,85.3 r90 bottom
C807 "100nF, 16V" CAP0402#1 71.725,85.775 r90 bottom
C808 "18nF, 16V" CAP0402#1 71.925,89.3 r90 bottom
C809 "100pF, 50V" CAP0402#2 85.55,100.75 r180 top
C810 "100pF, 50V" CAP0402#2 82.35,100.75 r180 top
C811 "100nF, 16V" CAP0402#1 92.175,96.525 r180 bottom
C812 "100nF, 16V" CAP0402#1 87.3,104 r0 bottom
C813 "100pF, 50V" CAP0402#1 87.3,103 r180 bottom
C814 "100pF, 50V" CAP0402#1 89.15,104.5 r90 bottom
C815 "100pF, 50V" CAP0402#2 90.5,98.15 r90 top
C816 "100pF, 50V" CAP0402#2 89.525,98.15 r90 top
C817 "100pF, 50V" CAP0402#1 90.075,95.95 r0 bottom
C818 "100nF, 16V" CAP0402#1 89.275,94.775 r180 bottom